# Altium PCB higgs.PcbDoc (part 17 of 25) (continued)
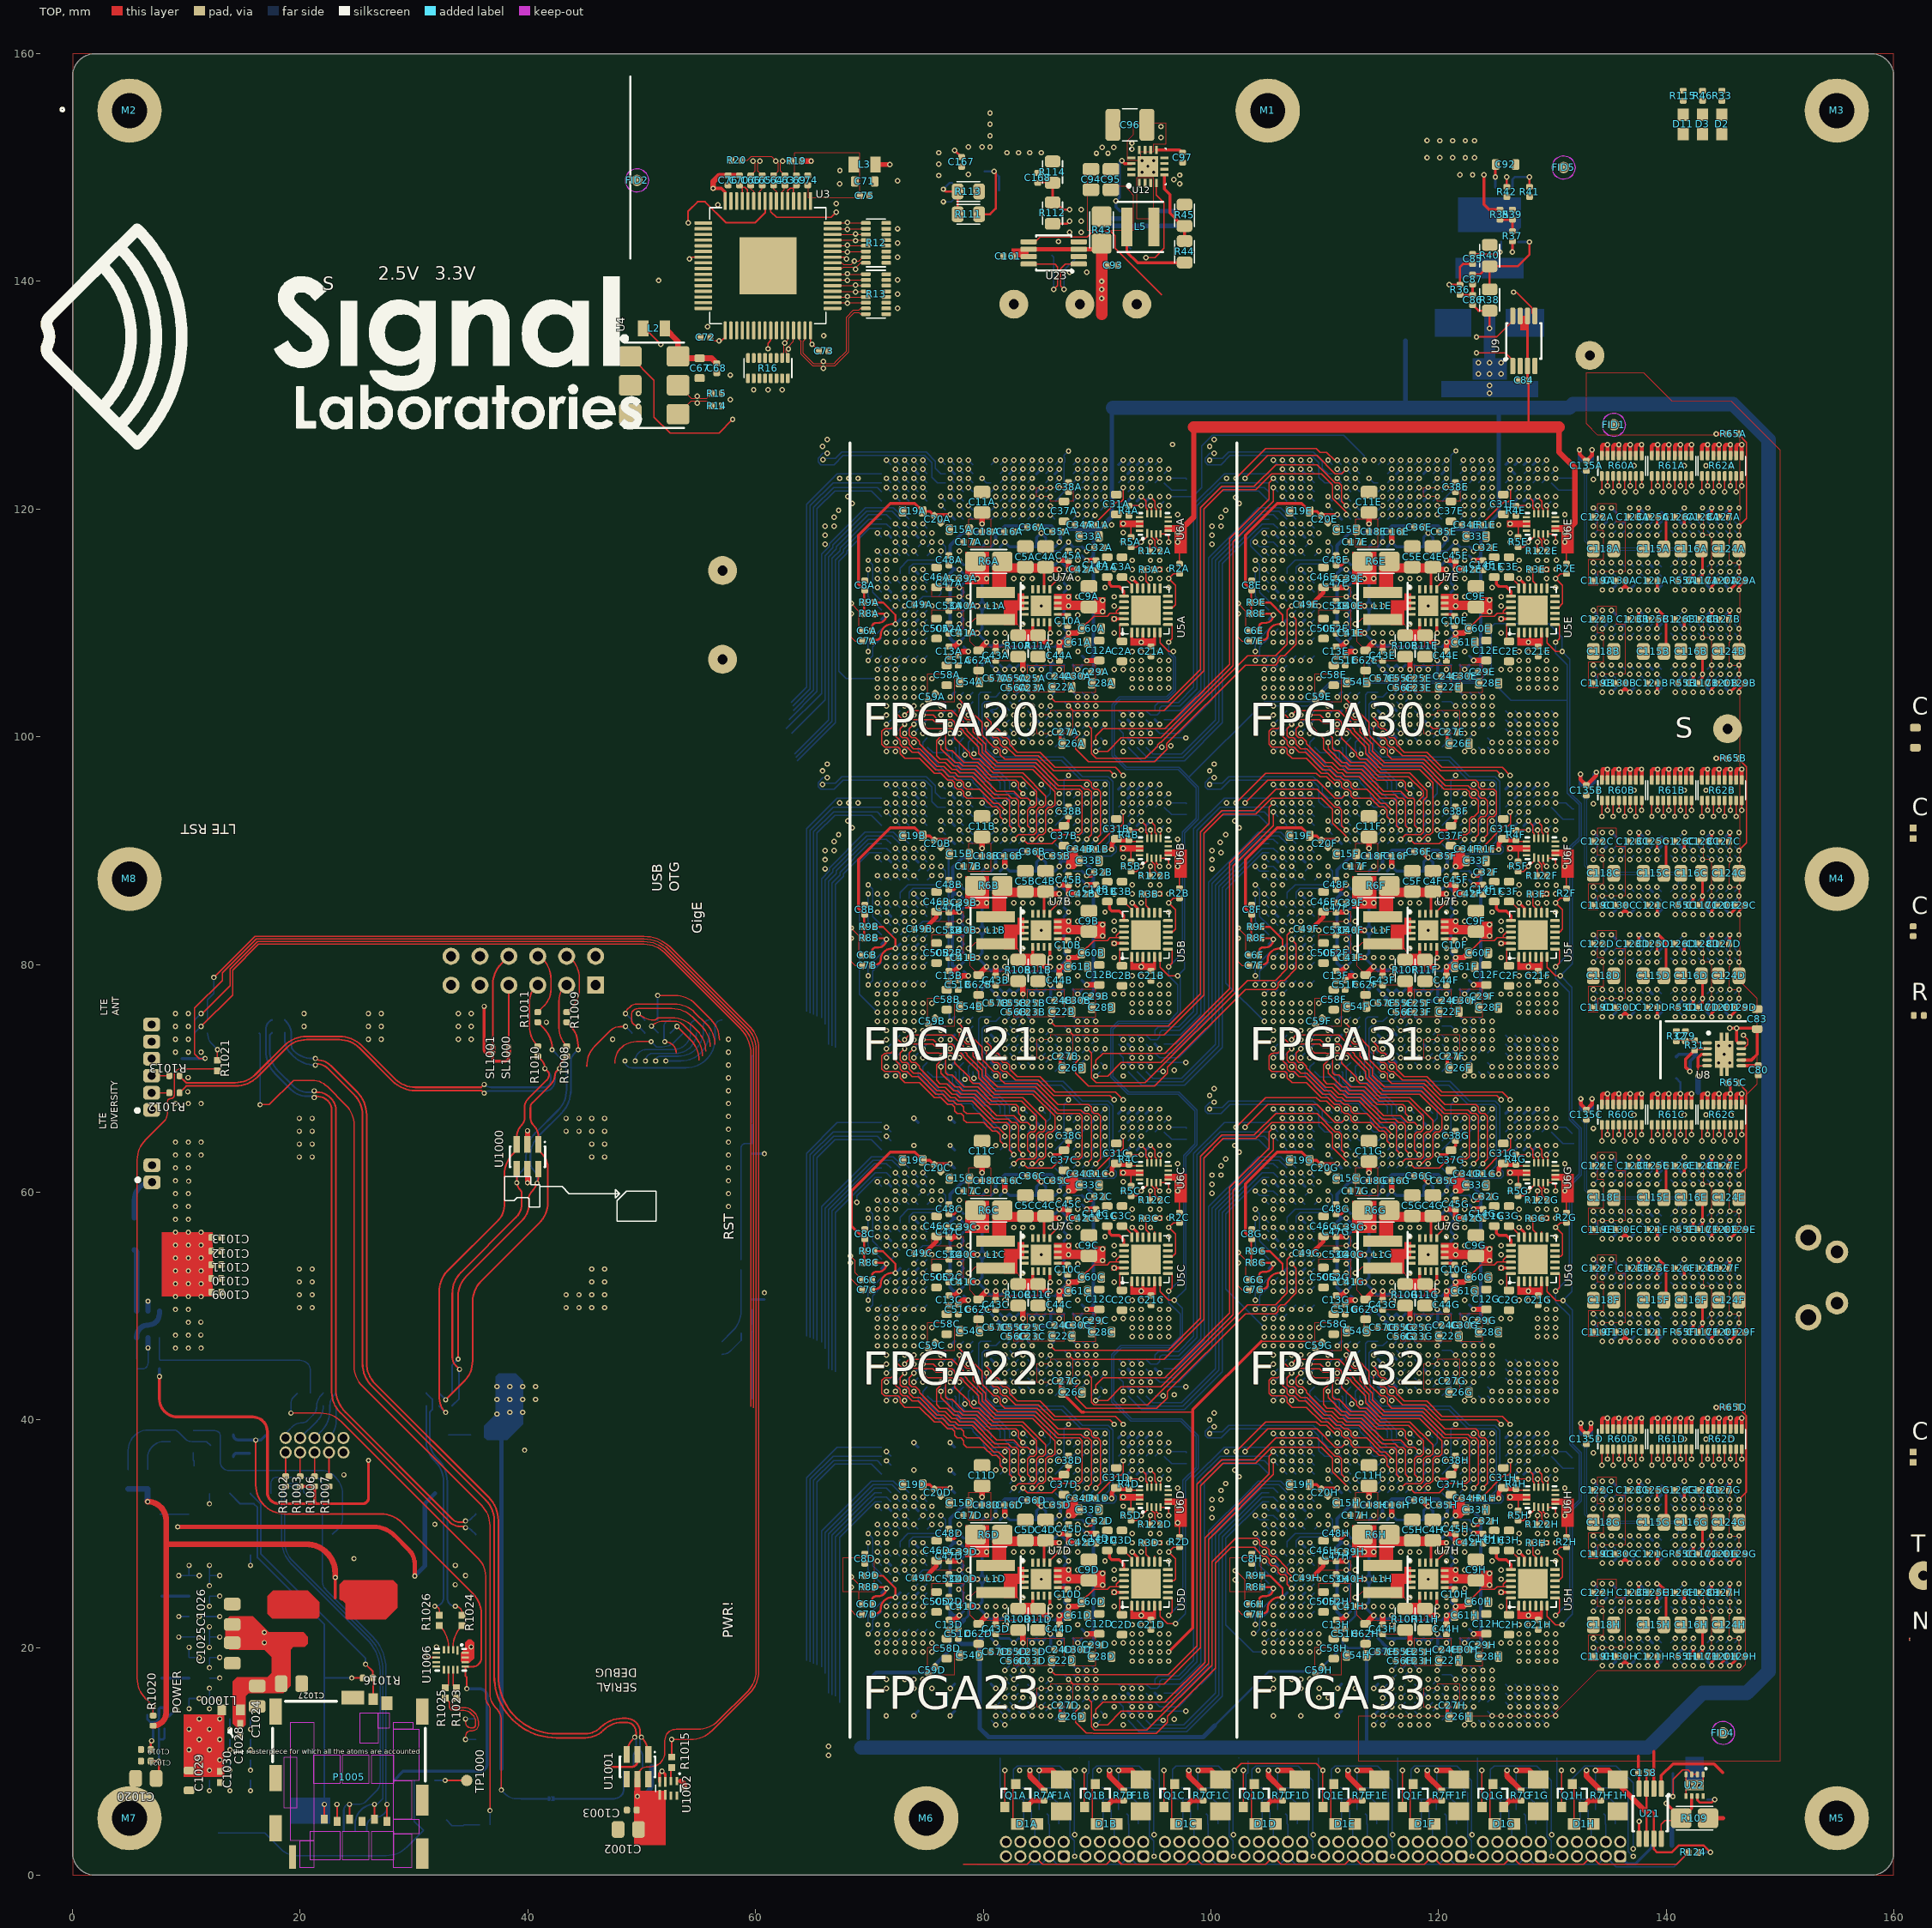
[diagram p0: TOP view]
## Nets (pads, with @x,y where several pads share a name; then routed paths per layer and width w, separated by ;. In a path a pad name is that pad's centre, name@x,y a point inside that pad or via, vN(x,y) a via of type N, cw(c..) or ccw(c..) an arc to the next point about the centre after c; other vN are vias at no path point) (continued)
  BOT w0.102: U1E.AM31@129.9,99.9 v1(130.3,99.5) ; U14B.P7@144.401,105.9 v1(144.801,106.3) ; U14A.P7@144.401,114.9 v1(144.801,115.3)
IL34_30.TB.G13.D6: R62A.8 U1E.AH32 U14A.T3 U14B.T3 | length 42.9
  TOP w0.102: v1(146.65,122.05) R62A.8@146.65,122.905
  S5(V) w0.102: v1(127.1,98.7) 127.5,98.3 140.567,98.3 146.001,103.734 146.001,108.3 v1(146.401,108.7) 146.801,109.1 146.801,117.3 v1(146.401,117.7) 146.801,118.1 146.801,121.899 v1(146.65,122.05)
  BOT w0.102: U1E.AH32@126.7,99.1 v1(127.1,98.7) ; U14B.T3@146.001,109.1 v1(146.401,108.7) ; U14A.T3@146.001,118.1 v1(146.401,117.7)
IL34_31.LR.G0.D0_N: U1F.P29 U14C.D3 | length 32.8
  S2(H) w0.102: v1(115.1,72.6) 115.5,73 117.666,73 117.9,73.234 117.9,73.566 118.134,73.8 118.466,73.8 118.7,74.034 118.7,74.569 121.131,77 122.94,77 124.54,78.6 130.864,78.6 131.099,78.835 131.099,79.065 134.235,82.2 134.565,82.2 134.799,82.435 134.799,83 135.6,83.801 135.6,88.8 v1(136,89.2)
  BOT w0.102: v1(115.1,72.6) U1F.P29@115.5,73 ; v1(136,89.2) U14C.D3@136.4,89.6
IL34_31.LR.G0.D0_P: U1F.P28 U14C.C3 | length 32
  S2(H) w0.102: v1(115.9,73.4) 116.3,73.8 117.666,73.8 117.9,74.034 117.9,77.566 118.134,77.8 119.5,77.8 123.309,77.8 125.099,79.59 125.918,79.59 126.51,80.182 126.51,80.643 126.752,80.886 130.973,80.886 134.087,84 134.565,84 134.799,84.234 134.799,84.5 ; 134.799,84.5 134.799,88.8 v1(135.199,89.2)
  BOT w0.102: U1F.P28@115.5,73.8 v1(115.9,73.4) ; v1(135.199,89.2) U14C.C3@135.599,89.6
IL34_31.LR.G0.D1_N: U1F.T26 U14C.A2 | length 31.6
  S2(H) w0.102: v1(116.7,75) 117.1,75.4 117.1,77.566 118.134,78.6 123.678,78.6 124.973,79.895 125.792,79.895 126.205,80.308 126.205,80.769 126.626,81.19 130.847,81.19 133.999,84.343 133.999,87.443 133.504,87.443 133.504,87.946 134.495,87.946 134.495,88.449 133.999,88.449 133.999,89.6 v1(133.599,90)
  BOT w0.102: v1(116.7,75) U1F.T26@117.1,75.4 ; v1(133.599,90) U14C.A2@133.999,90.4
IL34_31.LR.G0.D1_P: U1F.R26 U14C.A3 | length 31.1
  S2(H) w0.102: v1(115.9,75) 116.3,75.4 116.3,77.3 116.3,77.566 118.134,79.4 118.651,79.4 118.651,79.895 119.154,79.895 119.154,78.905 119.657,78.905 119.657,79.4 124.047,79.4 124.847,80.2 125.666,80.2 125.9,80.434 125.9,80.895 126.5,81.495 130.721,81.495 133.199,83.974 133.199,88.8 v1(133.599,89.2)
  BOT w0.102: v1(115.9,75) U1F.R26@116.3,75.4 ; v1(133.599,89.2) U14C.A3@133.999,89.6
IL34_31.LR.G0.D2_N: U1F.T27 U14C.A7 | length 32.9
  S6(H) w0.102: v1(117.5,75) 117.9,75.4 117.9,78.5 118.8,79.4 121.4,79.4 122.1,80.1 123.651,80.1 123.651,80.7 124.154,80.7 124.154,80.1 125.569,80.1 126.674,81.205 132.405,81.205 133.199,81.999 133.199,82.552 132.6,82.552 132.6,83.055 133.266,83.055 133.266,83.558 132.6,83.558 132.6,84.061 133.255,84.061 133.255,84.564 132.6,84.564 132.6,85.066 133.255,85.066 133.255,85.569 132.6,85.569 132.6,86.072 133.199,86.072 133.199,86.4 v1(133.599,86.8)
  BOT w0.102: U1F.T27@117.1,74.6 v1(117.5,75) ; v1(133.599,86.8) U14C.A7@133.999,86.4
IL34_31.LR.G0.D2_P: U1F.R27 U14C.C2 | length 33.9
  S2(H) w0.102: v1(116.7,74.2) 116.299,74.601 115.735,74.601 115.501,74.835 115.501,75.099 115.5,75.1 115.5,77.566 118.134,80.2 124.416,80.2 126.016,81.8 130.594,81.8 132.894,84.1 132.894,89.861 133.434,90.4 134.799,90.4 v1(135.199,90)
  BOT w0.102: U1F.R27@116.3,74.6 v1(116.7,74.2) ; v1(135.199,90) U14C.C2@135.599,90.4
IL34_31.LR.G0.D3_N: U1F.U26 U14C.B8 | length 33
  S6(H) w0.102: v1(118.3,75) 118.7,75.4 118.7,75.743 118.26,75.743 118.26,76.246 119.14,76.246 119.14,76.749 118.7,76.749 118.7,78.366 119.43,79.095 121.526,79.095 122.226,79.795 125.695,79.795 126.8,80.9 128.328,80.9 128.328,80.505 128.831,80.505 128.831,80.9 129.334,80.9 129.334,80.505 129.837,80.505 129.837,80.9 130.34,80.9 130.34,80.505 130.843,80.505 130.843,80.9 131.346,80.9 131.346,80.505 131.849,80.505 131.849,80.9 132.531,80.9 133.999,82.368 133.999,83.137 134.439,83.137 134.439,83.64 133.56,83.64 133.56,84.143 133.999,84.143 133.999,84.646 133.56,84.646 133.56,85.149 133.999,85.149 133.999,85.6 v1(134.399,86)
  BOT w0.102: U1F.U26@117.9,75.4 v1(118.3,75) ; v1(134.399,86) U14C.B8@134.799,85.6
IL34_31.LR.G0.D3_P: U1F.U27 U14C.C8 | length 32.9
  S6(H) w0.102: v1(118.3,74.2) 119.5,75.4 119.5,76.046 119.995,76.046 119.995,76.549 119.5,76.549 119.5,77.234 120.866,78.6 122.466,78.6 123.356,79.49 125.821,79.49 126.531,80.2 129.154,80.2 129.154,79.705 129.657,79.705 129.657,80.2 131.054,80.2 131.054,79.705 131.557,79.705 131.557,80.2 132.06,80.2 132.06,79.705 132.563,79.705 132.563,80.2 132.9,80.2 133.3,80.6 134.565,80.6 134.799,80.835 134.799,81.646 134.211,81.646 134.211,82.149 134.799,82.149 134.799,83.346 135.295,83.346 135.295,83.849 134.799,83.849 134.799,85.601 v1(135.199,86)
  BOT w0.102: U1F.U27@117.9,74.6 v1(118.3,74.2) ; v1(135.199,86) U14C.C8@135.599,85.6
IL34_31.LR.G0.D4_N: R60B.1 U1F.U28 U14C.K9 U14D.K9 | length 52.8
  TOP w0.102: v1(134.35,93) R60B.1@134.35,94.405
  S1(V) w0.102: v1(118.3,73.4) 118.7,73 125.4,73 ; 125.4,73.001 125.665,73.001 125.901,73.236 125.901,73.565 126.135,73.799 129.665,73.799 129.901,73.564 129.901,73.235 130.135,73.001 130.799,73.001 130.8,73 139.201,73 v1(141.6,75.4) 142,75.8 142,84 v1(141.6,84.4) 141.2,84.8 141.2,85.9 141.2,86.165 140.966,86.4 140.8,86.4 135.834,86.4 135.6,86.634 135.6,87.434 133.999,89.035 133.999,92.649 v1(134.35,93)
  BOT w0.102: U1F.U28@117.9,73.8 v1(118.3,73.4) ; U14D.K9@141.2,75.8 v1(141.6,75.4) ; U14C.K9@141.2,84.8 v1(141.6,84.4)
IL34_31.LR.G0.D4_P: U1F.T29 U14C.D7 | length 32.6
  S6(H) w0.102: v1(116.7,72.6) 117.1,73 120.066,73 120.3,73.234 120.3,75.166 120.3,77.603 120.992,78.295 122.592,78.295 123.482,79.186 126.277,79.186 126.492,79.4 135,79.4 135.6,80 135.6,86.4 v1(136,86.8)
  BOT w0.102: v1(116.7,72.6) U1F.T29@117.1,73 ; v1(136,86.8) U14C.D7@136.4,86.4
IL34_31.LR.G0.S_N: U1F.T28 U14C.B7 | length 33.4
  S6(H) w0.089: v1(116.7,73.4) 117.1,73.8 117.1,75.166 116.802,75.464 116.802,76.936 117.1,77.234 117.1,77.566 116.8,77.866 116.8,79.1 117.58,79.88 118.011,79.449 118.358,79.796 117.927,80.227 118.198,80.498 119.436,80.498 119.734,80.2 121.666,80.2 121.962,80.497 122.597,80.497 123.2,81.1 126,81.1 126.403,81.503 131.591,81.503 132.2,82.112 132.2,86.41 133.29,87.5 134.498,87.5 134.698,87.3 134.698,87.098 v1(134.399,86.8)
  BOT w0.089: v1(116.7,73.4) U1F.T28@117.1,73.8 ; v1(134.399,86.8) U14C.B7@134.799,86.4
IL34_31.LR.G0.S_P: U1F.R29 U14C.C7 | length 33.7
  S6(H) w0.089: v1(115.9,72.6) 116.3,73 116.3,73.1 116.3,75.166 116.598,75.464 116.598,76.936 116.3,77.234 116.3,77.566 116.597,77.862 116.597,79.184 118.114,80.702 119.436,80.702 119.734,81 121.666,81 121.966,80.7 122.513,80.7 123.116,81.303 125.916,81.303 126.319,81.706 131.507,81.706 131.997,82.197 131.997,86.494 132.698,87.195 133.206,87.703 134.582,87.703 134.901,87.384 134.901,87.098 v1(135.199,86.8)
  BOT w0.089: v1(115.9,72.6) U1F.R29@116.3,73 ; v1(135.199,86.8) U14C.C7@135.599,86.4
IL34_31.LR.G1.D0_N: U1F.P30 U14D.H7 | length 35.6
  S1(V) w0.102: v1(115.1,71.8) 114.7,72.2 114.7,75.166 116.449,76.914 117.58,76.914 117.9,77.234 117.9,77.566 119.43,79.095 120.764,79.095 121.983,80.314 124.649,80.314 125.544,81.21 126.469,81.21 126.974,81.714 130.252,81.714 131.043,82.505 131.643,82.505 132.138,83 135.365,83 136.965,81.4 137.2,81.166 137.2,79.8 v1(139.2,77.8)
  BOT w0.102: v1(115.1,71.8) U1F.P30@115.5,72.2 ; v1(139.2,77.8) U14D.H7@139.6,77.4
IL34_31.LR.G1.D0_P: U1F.P31 U14D.F7 | length 33.7
  S1(V) w0.102: v1(115.9,71) 115.5,71.4 115.5,75.166 116.944,76.61 118.075,76.61 118.7,77.234 118.7,77.59 119.9,78.79 120.89,78.79 122.11,80.01 125.7,80.01 127.1,81.41 130.379,81.41 130.979,82.01 135.69,82.01 136.4,81.3 136.4,79.991 137.6,78.791 v1(137.6,77.8)
  BOT w0.102: U1F.P31@115.5,71.4 v1(115.9,71) ; v1(137.6,77.8) U14D.F7@138,77.4
IL34_31.LR.G1.D1_N: U1F.T30 U14D.E7 | length 32.3
  S1(V) w0.102: v1(117.5,72.6) 117.1,73 117.1,75.603 117.497,76 119.866,76 123.266,79.4 126.126,79.4 127.526,80.8 128.754,80.8 128.754,79.72 129.257,79.72 129.257,80.8 129.76,80.8 129.76,80.198 130.263,80.198 130.263,80.8 131.231,80.8 131.831,81.4 134.565,81.4 134.799,81.166 134.799,80.035 135.034,79.8 135.4,79.8 136.8,78.4 v1(136.8,77.8)
  BOT w0.102: U1F.T30@117.1,72.2 v1(117.5,72.6) ; v1(136.8,77.8) U14D.E7@137.2,77.4
IL34_31.LR.G1.D1_P: U1F.R30 U14D.F8 | length 33.4
  S1(V) w0.102: v1(116.7,71.8) 116.3,72.2 116.3,75.5 117.105,76.305 118.836,76.305 120.966,78.435 121.418,77.984 121.774,78.339 121.322,78.791 122.236,79.705 126,79.705 127.4,81.105 130.505,81.105 131.105,81.705 135.094,81.705 135.6,81.2 135.6,80.032 137.2,78.431 137.2,77.4 v1(137.6,77)
  BOT w0.102: U1F.R30@116.3,72.2 v1(116.7,71.8) ; v1(137.6,77) U14D.F8@138,76.6
IL34_31.LR.G1.D2_N: U1F.P32 U14D.H8 | length 33.5
  S1(V) w0.102: v1(115.9,70.2) 116.3,70.6 116.3,71.166 116.534,71.4 117.2,71.4 117.9,72.1 117.9,75.166 118.43,75.695 119.992,75.695 123.392,79.095 126.253,79.095 126.557,79.4 131.4,79.4 132.6,80.6 133.765,80.6 133.999,80.366 133.999,80.035 134.234,79.8 134.565,79.8 136.4,77.965 136.4,76.834 136.634,76.6 138.8,76.6 v1(139.2,77)
  BOT w0.102: U1F.P32@115.5,70.6 v1(115.9,70.2) ; v1(139.2,77) U14D.H8@139.6,76.6
IL34_31.LR.G1.D2_P: U1F.N32 U14D.F2 | length 35.4
  S1(V) w0.102: v1(115.1,70.2) 115.1,70.436 114.701,70.835 114.701,71.399 113.9,72.2 113.9,75.166 115.5,76.766 115.5,77.9 118.6,81 123.7,81 125.3,82.6 128.534,82.6 130.6,82.6 131.305,83.305 135.491,83.305 137.091,81.705 137.6,81.197 v1(137.6,81)
  BOT w0.102: U1F.N32@114.7,70.6 v1(115.1,70.2) ; v1(137.6,81) U14D.F2@138,81.4
IL34_31.LR.G1.D3_N: U1F.U30 U14D.G2 | length 34.8
  S5(V) w0.102: v1(118.3,71.8) 118.7,71.4 122.466,71.4 122.7,71.634 122.7,75.166 123.334,75.8 125.5,75.8 125.9,75.4 131.969,75.4 133.199,76.63 133.199,77.965 133.434,78.2 136.651,78.2 136.651,78.892 137.154,78.892 137.154,78.2 137.657,78.2 137.657,79.569 138.16,79.569 138.16,78.2 138.603,78.2 138.8,78.397 138.8,80.6 v1(138.4,81)
  BOT w0.102: U1F.U30@117.9,72.2 v1(118.3,71.8) ; v1(138.4,81) U14D.G2@138.8,81.4
IL34_31.LR.G1.D3_P: U1F.U31 U14D.H3 | length 35.8
  S5(V) w0.102: v1(118.3,71) 118.7,70.6 122.466,70.6 123.5,71.634 123.5,75.166 123.734,75.4 125.1,75.4 125.9,74.6 131.6,74.6 132.8,75.8 134.631,75.8 134.631,76.605 135.134,76.605 135.134,75.8 135.637,75.8 135.637,76.6 136.14,76.6 136.14,75.8 136.643,75.8 136.643,76.6 137.146,76.6 137.146,75.8 138.3,75.8 138.8,76.3 138.8,77.965 139.2,78.365 v1(139.2,80.2)
  BOT w0.102: U1F.U31@117.9,71.4 v1(118.3,71) ; v1(139.2,80.2) U14D.H3@139.6,80.6
IL34_31.LR.G1.D4_N: R61B.5 U1F.Y30 U14C.K1 U14D.K1 | length 44.7
  TOP w0.102: v1(140.75,93) R61B.5@140.75,94.405
  S6(H) w0.102: v1(119.9,72.6) 120.3,72.2 124.864,72.2 125.405,72.74 125.405,73.705 125.995,74.295 130.405,74.295 130.9,73.8 138.597,73.8 141.2,76.403 141.2,82.2 v1(141.6,82.6) 142,83 142,91.2 v1(141.6,91.6) 140.75,92.451 v1(140.75,93)
  BOT w0.102: v1(119.9,72.6) U1F.Y30@120.3,72.2 ; U14D.K1@141.2,82.2 v1(141.6,82.6) ; U14C.K1@141.2,91.2 v1(141.6,91.6)
IL34_31.LR.G1.D4_P: U1F.W30 U14D.E3 | length 35
  S5(V) w0.102: v1(119.1,71.8) 119.5,72.2 120.451,72.2 120.451,71.705 120.954,71.705 120.954,72.2 121.666,72.2 121.9,72.434 121.9,75.166 122.134,75.4 122.503,75.4 123.303,76.2 124.051,76.2 124.051,76.695 124.554,76.695 124.554,76.105 125.057,76.105 125.057,76.695 125.56,76.695 125.56,76.099 126.063,76.099 126.063,76.695 126.566,76.695 126.566,76.2 131.151,76.2 131.151,76.82 131.654,76.82 131.654,76.2 132.338,76.2 132.894,76.757 132.894,79.085 133,79.191 133.754,79.191 133.754,78.581 134.257,78.581 134.257,79.191 134.76,79.191 134.76,78.581 135.263,78.581 135.263,79.191 135.766,79.191 135.766,78.581 136.269,78.581 136.269,79.191 136.591,79.191 136.8,79.4 v1(136.8,80.2)
  BOT w0.102: v1(119.1,71.8) U1F.W30@119.5,72.2 ; v1(136.8,80.2) U14D.E3@137.2,80.6
IL34_31.LR.G1.S_N: U1F.T31 U14D.G3 | length 36.3
  S5(V) w0.089: v1(117.5,71) 117.398,71.102 117.398,72.136 117.1,72.434 117.1,75.166 117.397,75.462 117.397,76.197 117.844,76.644 118.956,76.644 120.813,78.5 122.413,78.5 125.216,81.303 128.213,81.303 128.213,81.8 128.703,81.8 128.703,81.303 129.194,81.303 129.194,82.383 129.684,82.383 129.684,81.303 130.174,81.303 130.174,82.383 130.665,82.383 130.665,81.303 131.516,81.303 132.115,81.902 136.751,81.902 137.253,81.4 137.765,81.4 138,81.166 138,80.6 v1(138.4,80.2)
  BOT w0.089: U1F.T31@117.1,71.4 v1(117.5,71) ; v1(138.4,80.2) U14D.G3@138.8,80.6
IL34_31.LR.G1.S_P: U1F.R32 U14D.F3 | length 36.5
  S5(V) w0.089: v1(116.7,71) 117.1,70.6 117.8,70.6 117.9,70.7 117.9,71.166 117.602,71.464 117.602,72.136 117.9,72.434 117.9,75.166 117.6,75.466 117.6,76.113 117.928,76.44 119.04,76.44 120.3,77.7 120.897,78.297 122.497,78.297 125.3,81.1 127.135,81.1 127.135,80.3 127.626,80.3 127.626,81.1 128.116,81.1 128.116,80.3 128.606,80.3 128.606,81.1 129.097,81.1 129.097,80.3 129.587,80.3 129.587,81.1 131.6,81.1 132.199,81.699 136.667,81.699 137.2,81.166 137.2,80.706 137.193,80.7 137.193,80.607 137.2,80.6 ; 137.2,80.7 137.2,80.6 ; v1(137.6,80.2) 137.2,80.6
  BOT w0.089: U1F.R32@116.3,70.6 v1(116.7,71) ; v1(137.6,80.2) U14D.F3@138,80.6
IL34_31.LR.G2.D0_N: U1F.Y27 U14D.D7 | length 19.6
  S1(V) w0.102: v1(121.5,74.2) 121.398,74.302 121.398,75.517 122.325,76.444 123.034,76.444 124.391,77.8 131.691,77.8 132.592,78.702 135.098,78.702 v1(136,77.8)
  BOT w0.102: U1F.Y27@120.3,74.6 121.1,74.6 v1(121.5,74.2) ; v1(136,77.8) U14D.D7@136.4,77.4
IL34_31.LR.G2.D0_P: U1F.Y26 U14D.C2 | length 19.6
  S5(V) w0.102: v1(119.9,75) 119.9,75.566 122.134,77.8 123.407,77.8 125.007,79.4 131.204,79.4 133.204,81.4 134.799,81.4 v1(135.199,81)
  BOT w0.102: v1(119.9,75) U1F.Y26@120.3,75.4 ; v1(135.199,81) U14D.C2@135.599,81.4
IL34_31.LR.G2.D1_N: U1F.W28 U14D.A2 | length 19.8
  S5(V) w0.102: v1(119.9,74.2) 120.3,74.6 120.3,74.859 121.756,76.314 122.125,76.314 122.925,77.114 123.152,77.114 124.638,78.6 125.251,78.6 125.251,79.095 125.754,79.095 125.754,78.105 126.257,78.105 126.257,78.6 130.835,78.6 130.836,78.601 130.865,78.601 131.099,78.835 131.099,78.864 133.235,81 v1(133.599,81)
  BOT w0.102: U1F.W28@119.5,73.8 v1(119.9,74.2) ; v1(133.599,81) U14D.A2@133.999,81.4
IL34_31.LR.G2.D1_P: U1F.Y28 U14D.A3 | length 17.9
  S1(V) w0.102: v1(120.7,73.4) 120.7,75.25 122.45,77 122.466,77 122.961,77.495 123.295,77.495 124.4,78.6 131.999,78.6 v1(133.599,80.2)
  BOT w0.102: U1F.Y28@120.3,73.8 v1(120.7,73.4) ; v1(133.599,80.2) U14D.A3@133.999,80.6
IL34_31.LR.G2.D2_N: U1F.W29 U14D.C3 | length 19.6
  S5(V) w0.102: v1(119.9,73.4) 120.605,74.105 120.605,74.733 121.882,76.01 122.251,76.01 123.051,76.81 123.279,76.81 123.774,77.305 124.705,77.305 125.2,77.8 130.466,77.8 130.962,78.296 130.992,78.296 131.404,78.708 131.404,78.738 132.466,79.8 134.799,79.8 v1(135.199,80.2)
  BOT w0.102: U1F.W29@119.5,73 v1(119.9,73.4) ; v1(135.199,80.2) U14D.C3@135.599,80.6
IL34_31.LR.G2.D2_P: U1F.Y29 U14D.D3 | length 20.9
  S5(V) w0.102: v1(120.7,72.6) 121.1,73 121.1,74.797 122.008,75.705 122.377,75.705 123.177,76.505 123.405,76.505 123.9,77 130.466,77 130.7,77.234 130.7,77.603 131.088,77.991 131.118,77.991 131.709,78.582 131.709,78.612 132.592,79.495 135.295,79.495 v1(136,80.2)
  BOT w0.102: U1F.Y29@120.3,73 v1(120.7,72.6) ; v1(136,80.2) U14D.D3@136.4,80.6
IL34_31.LR.G2.D3_N: U1F.AC27 U14D.C8 | length 18.2
  S1(V) w0.102: v1(123.1,74.2) 123.5,73.8 125.099,73.8 125.099,74.295 130.005,74.295 130.5,73.8 131.854,73.8 131.854,73.305 132.357,73.305 132.357,74.295 132.86,74.295 132.86,73.8 133.365,73.8 134.799,75.234 134.799,76.6 v1(135.199,77)
  BOT w0.102: U1F.AC27@122.7,74.6 v1(123.1,74.2) ; v1(135.199,77) U14D.C8@135.599,76.6
IL34_31.LR.G2.D3_P: U1F.AB26 U14D.A7 | length 17.3
  S1(V) w0.102: v1(122.3,75) 122.7,75.4 131.199,75.4 131.755,75.955 132.384,75.326 132.74,75.682 132.111,76.311 132.043,76.378 132.399,76.734 132.466,76.667 133.095,76.038 133.451,76.393 132.822,77.022 v1(133.599,77.8)
  BOT w0.102: U1F.AB26@121.9,75.4 v1(122.3,75) ; v1(133.599,77.8) U14D.A7@133.999,77.4
IL34_31.LR.G2.D4_N: R61B.3 U1F.AD26 U14C.J3 U14D.J3 | length 42.5
  TOP w0.102: v1(139.75,93) R61B.3@139.75,94.405
  S5(V) w0.102: v1(123.9,75) 124.3,74.6 125.469,74.6 125.774,74.295 130.77,74.295 130.866,74.2 132.131,74.2 132.131,74.4 132.794,74.4 132.794,74 133.457,74 133.457,74.4 134.12,74.4 134.12,74 134.783,74 134.783,74.4 135.446,74.4 135.446,74 136.109,74 136.109,74.4 136.772,74.4 136.772,74 137.435,74 137.435,74.4 138.098,74.4 138.098,74.2 139.1,74.2 140.4,75.5 140.4,76.2 140.4,79.8 v1(140.8,80.2) 141.2,80.6 141.2,88.8 v1(140.8,89.2) 140.4,89.6 140.4,91.531 139.75,92.181 139.75,92.95 v1@139.8,93
  BOT w0.102: U1F.AD26@123.5,75.4 v1(123.9,75) ; U14D.J3@140.4,80.6 v1(140.8,80.2) ; U14C.J3@140.4,89.6 v1(140.8,89.2)
IL34_31.LR.G2.D4_P: U1F.AC26 U14D.B8 | length 18.4
  S1(V) w0.102: v1(123.1,75) 123.5,74.6 130.951,74.6 130.951,74.105 131.454,74.105 131.454,75.224 131.957,75.224 131.957,74.6 132.6,74.6 133.134,75.134 133.649,74.618 134.005,74.973 133.489,75.489 133.233,75.745 133.589,76.101 133.845,75.845 134.399,76.399 v1(134.399,77)
  BOT w0.102: U1F.AC26@122.7,75.4 v1(123.1,75) ; v1(134.399,77) U14D.B8@134.799,76.6
IL34_31.LR.G2.S_N: U1F.AB27 U14D.B7 | length 17.3
  S1(V) w0.089: v1@122.2,74.3 122.2,74.503 121.9,74.803 121.9,75.166 121.903,75.169 121.903,75.313 122.533,75.942 123.242,75.942 123.798,76.498 126.636,76.498 126.934,76.2 130.466,76.2 130.766,76.5 131.1,76.5 132.12,77.52 132.417,77.223 132.763,77.57 132.467,77.867 132.8,78.2 133.999,78.2 v1(134.399,77.8)
  S2(H) w0.089: v1@122.256,74.2 v1(122.3,74.2)
  BOT w0.089: U1F.AB27@121.9,74.6 v1(122.3,74.2) ; v1(134.399,77.8) U14D.B7@134.799,77.4
IL34_31.LR.G2.S_P: U1F.AB28 U14D.C7 | length 18.6
  S1(V) w0.089: v1(122.3,73.4) 121.9,73.8 121.9,74.516 121.697,74.719 121.697,75.394 121.952,75.648 122.449,76.145 123.158,76.145 123.714,76.702 126.636,76.702 126.934,77 130.466,77 130.762,76.703 131.016,76.703 132.716,78.403 134.596,78.403 v1(135.199,77.8)
  BOT w0.089: U1F.AB28@121.9,73.8 v1(122.3,73.4) ; v1(135.199,77.8) U14D.C7@135.599,77.4
IL34_31.LR.G3.D0_N: U1F.AB29 U14C.E7 | length 34.7
  S6(H) w0.102: v1(121.5,73.4) 121.1,73.8 121.1,75.203 124.497,78.6 131.051,78.6 131.051,78.787 131.354,79.09 131.554,79.09 131.554,78.11 132.057,78.11 132.057,79.09 132.56,79.09 132.56,78.261 133.063,78.261 133.063,79.09 133.566,79.09 133.566,78.6 134.069,78.6 134.069,79.09 134.572,79.09 134.572,78.6 134.965,78.6 136.4,80.035 136.4,81.752 135.91,81.752 135.91,82.255 136.4,82.255 136.4,82.758 135.91,82.758 135.91,83.261 136.4,83.261 136.4,86.4 v1(136.8,86.8)
  BOT w0.102: v1(121.5,73.4) U1F.AB29@121.9,73 ; v1(136.8,86.8) U14C.E7@137.2,86.4
IL34_31.LR.G3.D0_P: U1F.AB30 U14C.F7 | length 34.9
  S6(H) w0.102: v1(122.3,72.6) 121.9,73 121.9,75.572 124.128,77.8 124.437,77.8 124.437,78.109 124.94,78.109 124.94,77.8 125.443,77.8 125.443,78.295 125.946,78.295 125.946,77.8 128.546,77.8 128.546,78.295 129.048,78.295 129.048,77.8 133.034,77.8 133.529,78.295 135.695,78.295 136.111,78.711 135.809,79.013 136.165,79.368 136.466,79.067 137.2,79.8 137.2,81.646 136.704,81.646 136.704,82.149 137.2,82.149 137.2,83.346 136.704,83.346 136.704,83.849 137.2,83.849 137.2,84.946 136.704,84.946 136.704,85.449 137.2,85.449 137.2,86.4 v1(137.6,86.8)
  BOT w0.102: U1F.AB30@121.9,72.2 v1(122.3,72.6) ; v1(137.6,86.8) U14C.F7@138,86.4
IL34_31.LR.G3.D1_N: U1F.AD29 U14C.H7 | length 36.5
  S6(H) w0.102: v1(123.9,73.4) 123.5,73.8 123.5,75.166 124.534,76.2 130.466,76.2 130.865,76.6 133.522,76.6 133.522,76.021 134.025,76.021 134.025,76.6 134.528,76.6 134.528,76.2 135.031,76.2 135.031,76.6 135.534,76.6 135.534,76.2 136.037,76.2 136.037,76.6 136.54,76.6 136.54,76.2 137.043,76.2 137.043,76.6 137.546,76.6 137.546,76.2 138.048,76.2 138.048,76.6 138.6,76.6 138.8,76.8 138.8,81.646 139.295,81.646 139.295,82.149 138.8,82.149 138.8,83.346 139.295,83.346 139.295,83.849 138.8,83.849 138.8,84.946 139.295,84.946 139.295,85.449 138.8,85.449 138.8,86.4 v1(139.2,86.8)
  BOT w0.102: U1F.AD29@123.5,73 v1(123.9,73.4) ; v1(139.2,86.8) U14C.H7@139.6,86.4
IL34_31.LR.G3.D1_P: U1F.AC28 U14C.F8 | length 35
  S6(H) w0.102: v1(123.1,73.4) 122.7,73.8 122.7,75.7 124,77 130.466,77 130.865,77.4 132.246,77.4 132.246,76.904 132.749,76.904 132.749,77.4 137.765,77.4 138,77.634 138,78.443 136.82,78.443 136.82,78.946 138.495,78.946 138.495,79.449 138,79.449 138,81.646 138.495,81.646 138.495,82.149 138,82.149 138,83.043 137.505,83.043 137.505,83.546 138.208,83.546 138.208,84.049 138,84.049 138,85.6 v1(137.6,86)
  BOT w0.102: U1F.AC28@122.7,73.8 v1(123.1,73.4) ; v1(137.6,86) U14C.F8@138,85.6
IL34_31.LR.G3.D2_N: U1F.Y32 U14C.E3 | length 33.6
  S2(H) w0.102: v1(121.5,72.6) 121.1,73 121.1,74.366 124.534,77.8 130.495,77.8 131.566,78.871 131.566,78.901 132.132,78.335 132.488,78.691 131.922,79.256 132.466,79.8 136.165,79.8 136.4,80.035 136.4,88.8 v1(136.8,89.2)
  BOT w0.102: U1F.Y32@120.3,70.6 121.1,71.4 121.1,72.2 v1(121.5,72.6) ; v1(136.8,89.2) U14C.E3@137.2,89.6
IL34_31.LR.G3.D2_P: U1F.W31 U14C.H3 | length 35.3
  S2(H) w0.102: v1(119.9,71.8) 120.3,71.4 123.7,71.4 124.501,72.201 124.913,72.201 125.099,72.387 125.099,73.564 126.136,74.6 130.8,74.6 132.495,76.295 134.26,76.295 134.799,76.834 134.799,77.965 135.229,78.395 137.961,78.395 139.6,80.035 139.6,88.8 v1(139.2,89.2)
  BOT w0.102: U1F.W31@119.5,71.4 v1(119.9,71.8) ; v1(139.2,89.2) U14C.H3@139.6,89.6
IL34_31.LR.G3.D3_N: U1F.AE30 U14C.F2 | length 35.7
  S6(H) w0.102: v1(124.7,72.6) 125.1,73 125.1,73.3 125.1,74 125.7,74.6 134.851,74.6 134.851,75 135.354,75 135.354,74.105 135.857,74.105 135.857,74.6 138.166,74.6 138.8,75.234 138.8,75.603 139.905,76.708 139.905,89.061 139.366,89.6 138,89.6 v1(137.6,90)
  BOT w0.102: U1F.AE30@124.3,72.2 v1(124.7,72.6) ; v1(137.6,90) U14C.F2@138,90.4
IL34_31.LR.G3.D3_P: U1F.AD30 U14C.H8 | length 35.3
  S6(H) w0.102: v1(123.9,72.6) 124.3,73 124.3,74.366 124.534,74.6 125.1,74.6 125.9,75.4 131.051,75.4 131.051,76.295 131.554,76.295 131.554,74.905 132.057,74.905 132.057,76.295 132.56,76.295 132.56,74.905 133.063,74.905 133.063,75.4 133.834,75.4 134.329,75.895 138.661,75.895 139.6,76.834 139.6,78.552 139.105,78.552 139.105,79.055 139.6,79.055 139.6,85.6 v1(139.2,86)
  BOT w0.102: U1F.AD30@123.5,72.2 v1(123.9,72.6) ; v1(139.2,86) U14C.H8@139.6,85.6
IL34_31.LR.G3.D4_N: R61B.7 U1F.AE31 U14C.L2 U14D.L2 | length 47.6
  TOP w0.102: v1(141.75,93) R61B.7@141.75,94.405
  S2(H) w0.102: v1(124.7,71) v1(124.7,71)
  S6(H) w0.102: v1(124.7,71) 125.901,72.201 125.901,73.565 126.135,73.799 127.265,73.799 127.499,73.565 127.499,73.236 127.736,73 131.232,73 131.232,73.33 131.694,73.33 131.694,73 132.157,73 132.157,73.33 132.62,73.33 132.62,73 133.083,73 133.083,73.33 133.546,73.33 133.546,73 134.009,73 134.009,73.33 134.472,73.33 134.472,73 134.935,73 134.935,73.33 135.398,73.33 135.398,73 135.861,73 135.861,73.33 136.324,73.33 136.324,73 136.787,73 136.787,73.33 137.25,73.33 137.25,73 137.713,73 137.713,73.33 138.176,73.33 138.176,73 139.766,73 142,75.234 142,75.3 ; v1(141.75,93) 141.75,92.016 142.4,91.366 v1(142.4,90) 142.8,89.6 142.8,81.4 v1(142.4,81) 142,80.6 142,75.3
  BOT w0.102: U1F.AE31@124.3,71.4 v1(124.7,71) ; U14D.L2@142,81.4 v1(142.4,81) ; U14C.L2@142,90.4 v1(142.4,90)
IL34_31.LR.G3.D4_P: U1F.AC31 U14C.G2 | length 33.5
  S2(H) w0.102: v1(123.1,71.8) 123.664,71.8 124.299,72.435 124.299,72.599 ; v1(138.4,90) 138.8,89.6 138.8,88.349 139.295,88.349 139.295,87.846 138.8,87.846 138.8,83.649 139.295,83.649 139.295,83.146 138.8,83.146 138.8,79.791 137.709,78.7 133.906,78.7 130.606,75.4 130.3,75.4 125.8,75.4 125.1,74.7 125.1,74.034 124.866,73.8 124.534,73.8 124.3,73.566 124.3,72.6 ; 124.299,72.599 124.3,72.6
  BOT w0.102: U1F.AC31@122.7,71.4 v1(123.1,71.8) ; v1(138.4,90) U14C.G2@138.8,90.4
IL34_31.LR.G3.S_N: U1F.AB31 U14C.G3 | length 33.3
  S2(H) w0.089: v1(122.3,71.8) 122.7,72.2 123.266,72.2 123.5,72.434 123.5,75.166 123.2,75.466 123.2,75.7 123.998,76.498 125.845,76.498 126.143,76.2 130.466,76.2 130.766,76.5 131.284,76.5 133.784,79 137.3,79 137.701,79.401 137.701,79.745 138,80.044 138,81.166 137.701,81.464 137.701,82.136 138,82.435 138,82.766 137.701,83.064 137.701,83.936 138,84.234 138,84.565 137.701,84.864 137.701,85.536 138,85.834 138,86.965 137.703,87.262 137.703,87.818 138.101,88.216 138.101,88.902 v1(138.4,89.2)
  BOT w0.089: U1F.AB31@121.9,71.4 v1(122.3,71.8) ; v1(138.4,89.2) U14C.G3@138.8,89.6
IL34_31.LR.G3.S_P: U1F.AC30 U14C.F3 | length 33.1
  S2(H) w0.089: v1(123.1,72.6) 122.7,73 122.7,75.166 122.997,75.462 122.997,75.784 123.914,76.702 124.445,76.702 124.445,77.289 124.935,77.289 124.935,76.702 125.845,76.702 126.143,77 130.466,77 130.762,76.703 131.2,76.703 133.7,79.203 137.216,79.203 137.498,79.486 137.498,79.745 137.2,80.044 137.2,81.166 137.498,81.464 137.498,82.136 137.2,82.435 137.2,82.766 137.498,83.064 137.498,83.936 137.2,84.234 137.2,84.565 137.498,84.864 137.498,85.536 137.2,85.834 137.2,86.965 137.5,87.266 137.5,87.902 137.898,88.3 137.898,88.902 v1(137.6,89.2)
  BOT w0.089: U1F.AC30@122.7,72.2 v1(123.1,72.6) ; v1(137.6,89.2) U14C.F3@138,89.6
IL34_31.TB.G8.D0_N: R60B.4 U1F.AG29 U14C.N7 U14D.N7 | length 49.9
  TOP w0.102: v1(135.85,93.55) R60B.4@135.85,94.405
  S1(V) w0.102: v1@135.904,93.55 135.904,90.996 136.4,90.5 136.4,88.8 137.391,87.809 142.991,87.809 v1(144,86.8)
  S2(H) w0.102: v1(126.3,72.6) 126.7,72.2 128.866,72.2 129.1,71.966 129.1,71.634 129.334,71.4 139.766,71.4 140.244,71.878 140.075,72.048 140.43,72.403 140.6,72.234 140.956,72.589 140.786,72.759 141.142,73.115 141.311,72.945 142.6,74.234 142.303,74.531 142.659,74.886 142.956,74.589 143.6,75.234 143.6,75.852 143.351,75.852 143.351,76.355 143.6,76.355 143.6,77.4 v1(144,77.8) 144.4,78.2 144.4,86.4 v1(144,86.8)
  BOT w0.102: U1F.AG29@125.9,73 v1(126.3,72.6) ; U14D.N7@143.6,77.4 v1(144,77.8) ; U14C.N7@143.6,86.4 v1(144,86.8)
IL34_31.TB.G8.D0_P: R62B.3 U1F.AG28 U14C.N2 U14D.N2 | length 42.9
  TOP w0.102: v1(144.15,93) R62B.3@144.15,94.405
  S6(H) w0.102: v1(126.3,73.4) 126.7,73 126.7,72.434 126.934,72.2 130.7,72.2 131.1,71.8 132.231,71.8 132.231,71.98 132.894,71.98 132.894,71.6 133.557,71.6 133.557,71.98 134.22,71.98 134.22,71.6 134.883,71.6 134.883,71.8 140.166,71.8 143.6,75.234 143.6,80.6 v1(144,81) 144.4,81.4 144.4,89.6 v1(144,90) 144.4,90.4 144.4,92.3 144.15,92.55 v1(144.15,93)
  BOT w0.102: U1F.AG28@125.9,73.8 v1(126.3,73.4) ; U14D.N2@143.6,81.4 v1(144,81) ; U14C.N2@143.6,90.4 v1(144,90)
IL34_31.TB.G8.D1_N: R60B.8 U1F.AH28 U14C.R7 U14D.R7 | length 51.2
  TOP w0.102: v1(137.85,93.55) R60B.8@137.85,94.405
  S1(V) w0.102: v1@137.9,93.55 137.85,93.5 137.85,92.95 138.8,92 138.8,91.3 140.5,89.6 144.166,89.6 144.4,89.366 144.4,88.631 145.601,87.431 v1(145.601,86.8)
  S2(H) w0.102: v1(127.1,73.4) 126.699,72.999 126.135,72.999 125.901,72.765 125.901,71.635 126.135,71.401 127.735,71.401 ; v1(145.601,86.8) 146.001,86.4 146.001,78.2 v1(145.601,77.8) 145.201,77.4 145.201,75.4 145.201,75.234 140.567,70.6 129.334,70.6 129.1,70.834 129.1,71.166 128.866,71.4 127.736,71.4 ; 127.735,71.401 127.736,71.4
  BOT w0.102: U1F.AH28@126.7,73.8 v1(127.1,73.4) ; U14D.R7@145.201,77.4 v1(145.601,77.8) ; U14C.R7@145.201,86.4 v1(145.601,86.8)
IL34_31.TB.G8.D1_P: R61B.6 U1F.AJ28 U14C.L3 U14D.L3 | length 43.2
  TOP w0.102: v1(141.25,93.55) R61B.6@141.25,94.405
  S5(V) w0.102: v1(127.9,73.4) 128.3,73 131.251,73 131.251,72.635 131.754,72.635 131.754,73 132.257,73 132.257,72.635 132.76,72.635 132.76,73 133.263,73 133.263,72.635 133.766,72.635 133.766,73 134.269,73 134.269,72.635 134.772,72.635 134.772,73 135.275,73 135.275,72.635 135.778,72.635 135.778,73 136.281,73 136.281,72.635 136.784,72.635 136.784,73 137.287,73 137.287,72.635 137.79,72.635 137.79,73 139.766,73 140.3,73.534 140.484,73.349 140.84,73.705 140.655,73.889 141.011,74.245 141.196,74.06 141.551,74.416 141.367,74.601 142,75.234 142,79.8 v1(142.4,80.2) 142.8,80.6 142.8,88.8 v1(142.4,89.2) 142,89.6 142,91.9 141.25,92.65 v1(141.25,93.55)
  BOT w0.102: U1F.AJ28@127.5,73.8 v1(127.9,73.4) ; U14D.L3@142,80.6 v1(142.4,80.2) ; U14C.L3@142,89.6 v1(142.4,89.2)
IL34_31.TB.G8.D2_N: R62B.7 U1F.AG30 U14C.R2 U14D.R2 | length 43.2
  TOP w0.102: v1(146.15,93) R62B.7@146.15,94.405
  S6(H) w0.102: v1(126.3,71.8) 126.7,71.4 126.7,70.834 126.934,70.6 140.567,70.6 145.201,75.234 145.201,80.6 v1(145.601,81) 146.001,81.4 146.001,89.6 v1(145.601,90) 146.001,90.4 146.001,92.501 146.15,92.65 v1(146.15,93)
  BOT w0.102: U1F.AG30@125.9,72.2 v1(126.3,71.8) ; U14D.R2@145.201,81.4 v1(145.601,81) ; U14C.R2@145.201,90.4 v1(145.601,90)